# KiCad board FrontEnd_5G.kicad_pcb (continued)
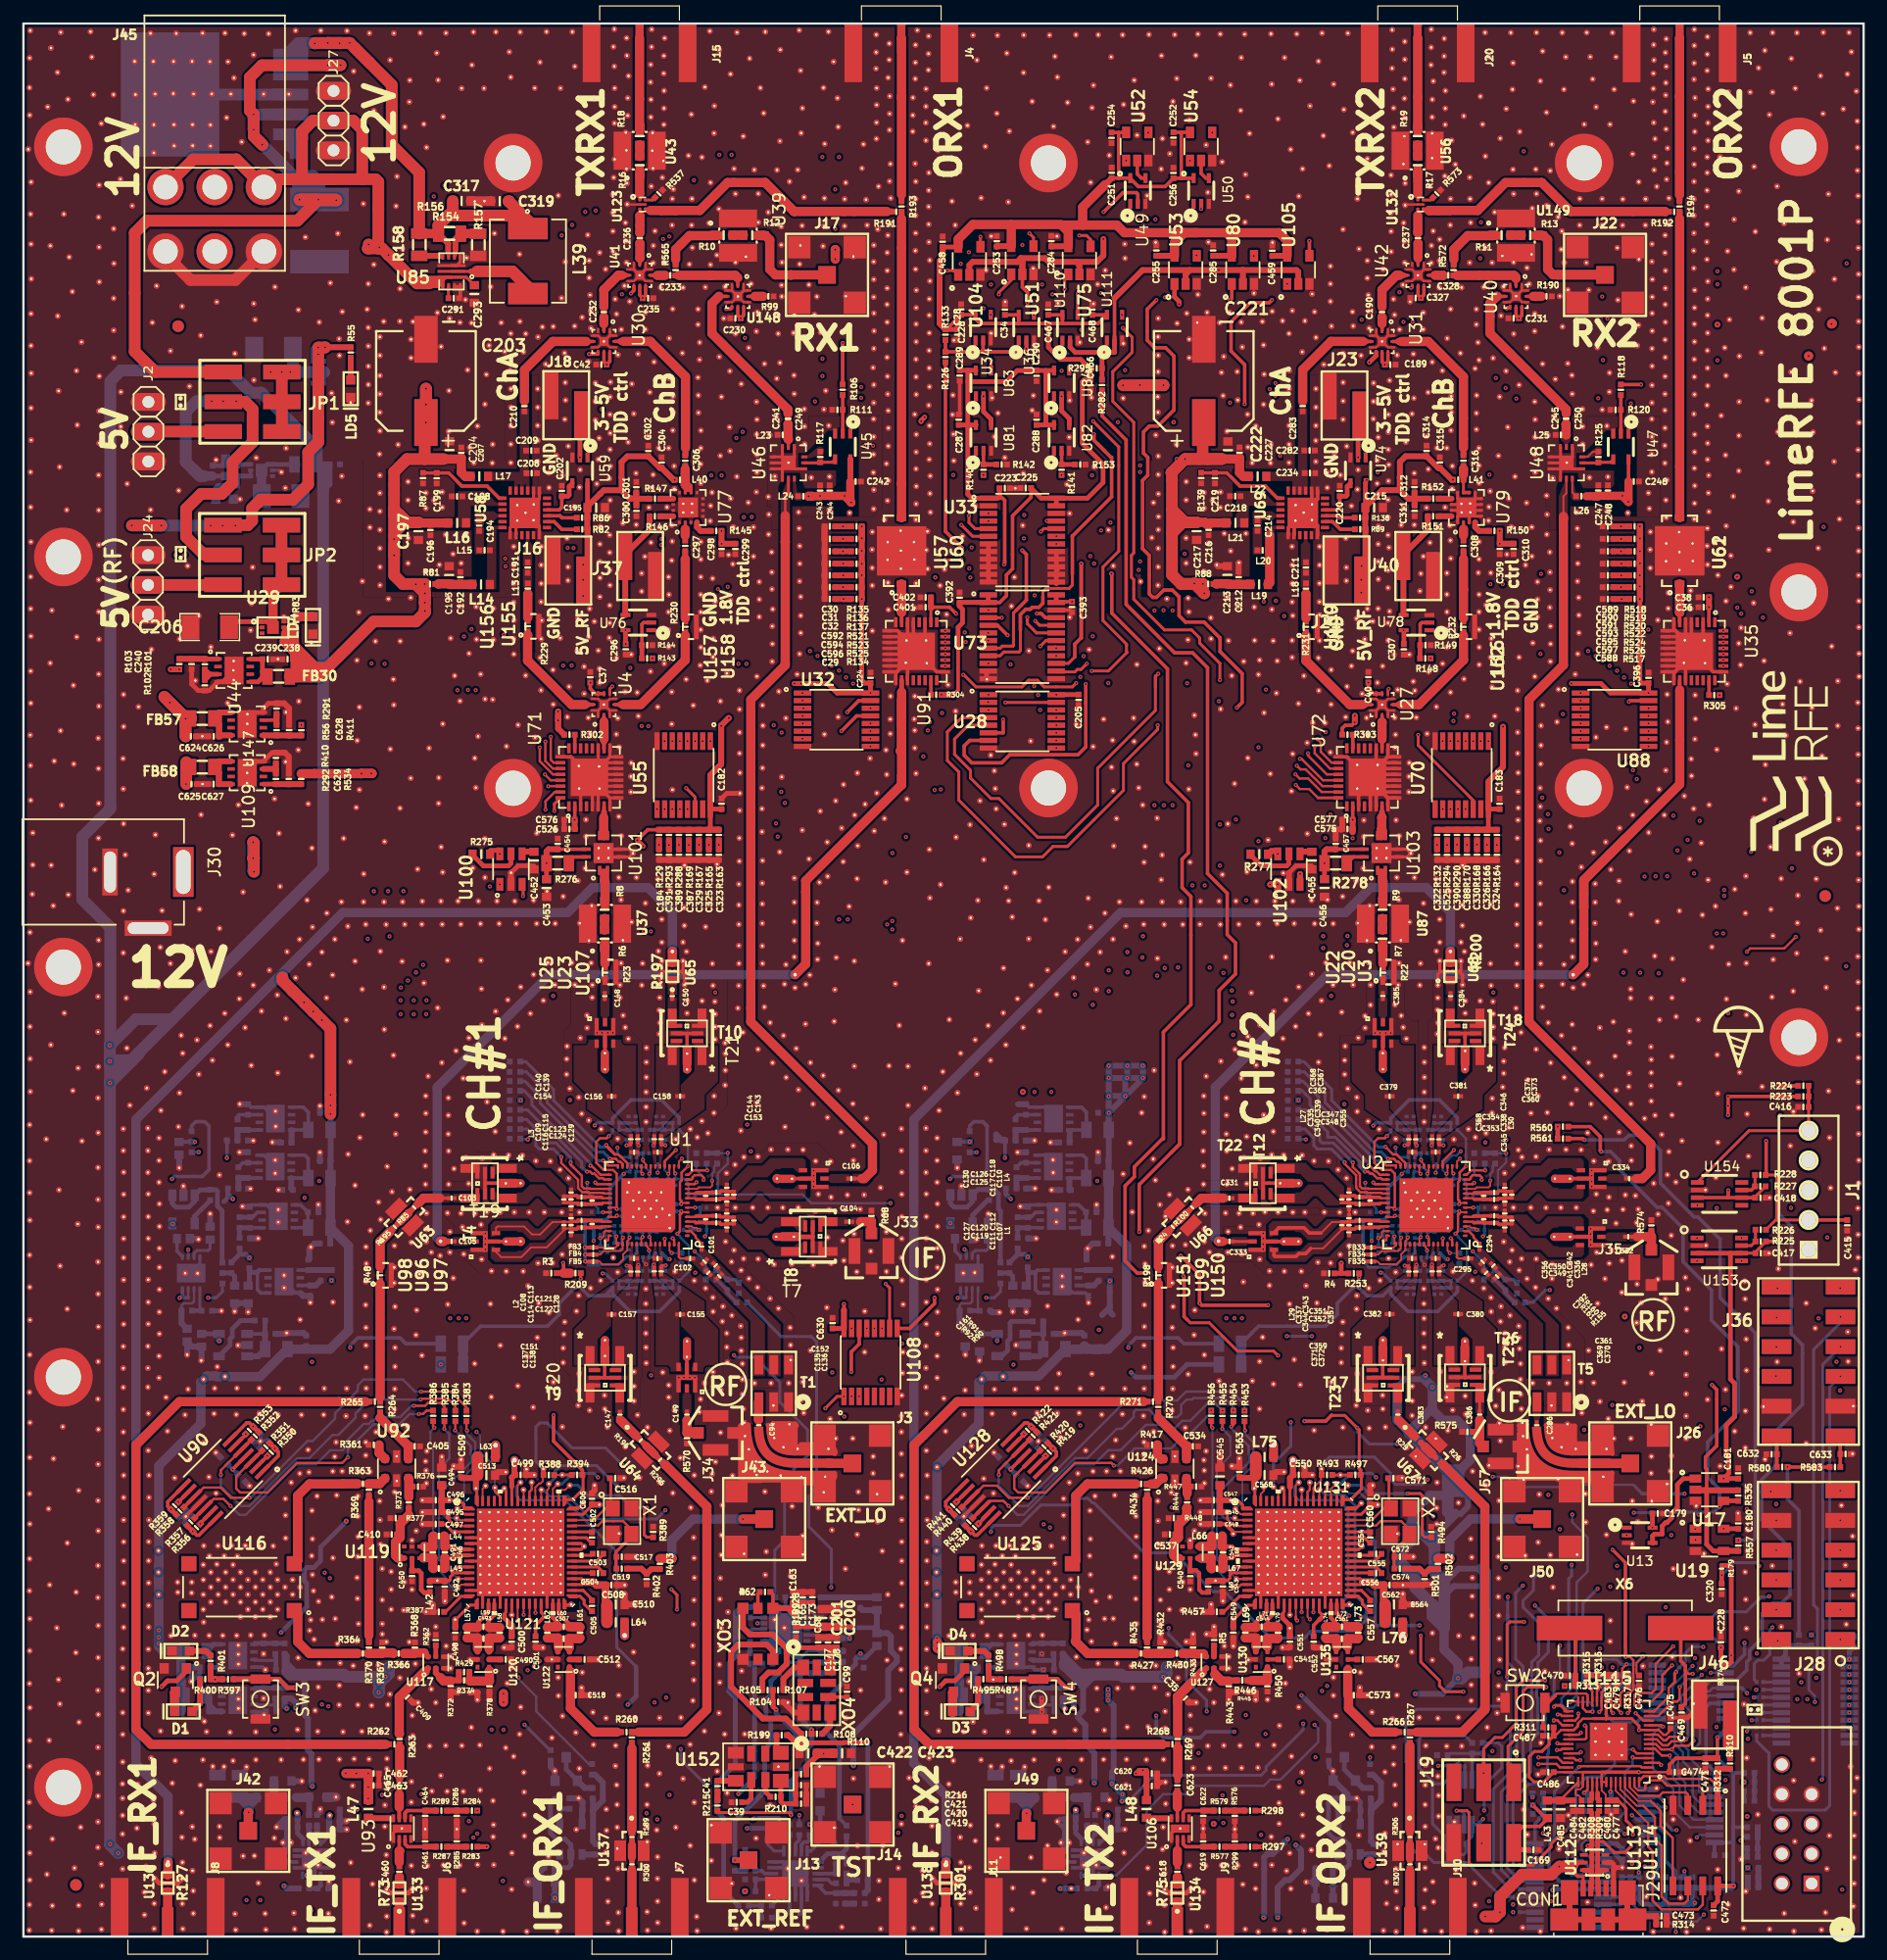
[diagram p0: board, top side]
## Nets (continued)
Net-(C567-Pad2): C567.2 U135.2
Net-(C571-Pad1): C571.1 U131.46 X2.1
Net-(C572-Pad1): C572.1 C574.2 U131.45 X2.3
Net-(C582-Pad2): C582.2 IC2.14
Net-(C606-Pad1): C606.1 R243.1 R404.1 U140.1
Net-(C607-Pad1): C607.1 R254.1 R409.1 U142.1
Net-(C608-Pad1): C608.1 R412.1 R562.1 R563.1
Net-(C610-Pad2): C610.2 R559.1 U144.6
Net-(C611-Pad1): C611.1 R556.1 U143.5 U143.8
Net-(C612-Pad1): C612.1 FB56.2 R20.2 U145.1 U145.3
Net-(C613-Pad1): C613.1 U144.1
Net-(C615-Pad1): C615.1 R566.1 R571.1 U143.1
Net-(C616-Pad2): C616.2 U144.3
Net-(C618-Pad1): C618.1 U106.2
Net-(C619-Pad1): C619.1 R577.2 U106.3
Net-(C622-Pad2): C622.2 R579.2 U106.6
Net-(C623-Pad2): C623.2 U106.7
Net-(C626-Pad1): C626.1 FB57.2 U147.5 U147.8
Net-(C627-Pad1): C627.1 FB58.2 U109.5 U109.8
Net-(C628-Pad1): C628.1 R56.1 R411.1 U147.1
Net-(C629-Pad1): C629.1 R292.1 R534.1 U109.1
Net-(C632-Pad1): C632.1 J36.6 R580.1
Net-(C633-Pad1): C633.1 J36.12 R583.2
Net-(C634-Pad1): C634.1 R594.2 R595.2 U38.23 U38.24
Net-(CON1-Pad4): CON1.4
Net-(D1-Pad1): D1.1 R400.1
Net-(D1-Pad2): D1.2 Q2.3
Net-(D2-Pad1): D2.1 R401.1
Net-(D3-Pad1): D3.1 R495.1
Net-(D3-Pad2): D3.2 Q4.3
Net-(D4-Pad1): D4.1 R498.1
Net-(IC1-Pad9): IC1.9 R398.1 R399.2
Net-(IC2-Pad9): IC2.9 R499.1 R500.2
Net-(J2-Pad2): J2.2 JP1.5
Net-(J4-Pad1): J4.1 R193.1
Net-(J5-Pad1): J5.1 R194.1
Net-(J6-Pad1): J6.1 R73.2 U133.1
Net-(J7-Pad1): J7.1 R300.1 U137.3
Net-(J8-Pad1): J8.1 R127.1 U136.3
Net-(J9-Pad1): J9.1 R75.2 U134.1
Net-(J10-Pad1): J10.1 R307.1 U139.3
Net-(J11-Pad1): J11.1 R301.1 U138.3
Net-(J15-Pad1): J15.1 R18.1 U43.3
Net-(J17-Pad1): J17.1 R12.1 U148.3
Net-(J20-Pad1): J20.1 R19.1 U56.3
Net-(J22-Pad1): J22.1 R13.1 U149.3
Net-(J24-Pad2): J24.2 JP2.5
Net-(J29-Pad10): J29.10
Net-(J37-Pad1): J37.1 R146.2 U76.4
Net-(J40-Pad1): J40.1 R151.2 U78.4
Net-(J42-Pad1): J42.1 R390.1 R392.1 R393.1
Net-(J43-Pad1): J43.1 R403.1
Net-(J45-Pad2): J45.2
Net-(J45-Pad5): J45.5
Net-(J49-Pad1): J49.1 R458.1 R472.1 R491.1
Net-(J50-Pad1): J50.1 R502.1
Net-(L14-Pad2): L14.2 L15.1 U58.24
Net-(L19-Pad2): L19.2 L20.1 U69.24
Net-(L24-Pad2): L24.2 U46.9
Net-(L26-Pad2): L26.2 U48.9
Net-(L39-Pad2): L39.2 U85.2
Net-(L44-Pad1): L44.1 L46.1 U121.8
Net-(L45-Pad1): L45.1 L46.2 U121.9
Net-(L47-Pad2): L47.2 U93.8
Net-(L48-Pad2): L48.2 U106.8
Net-(L57-Pad1): L57.1 L59.1 U121.19
Net-(L58-Pad1): L58.1 L59.2 U121.20
Net-(L60-Pad1): L60.1 L61.2 U121.31
Net-(L60-Pad2): L60.2 L62.2 U121.30
Net-(L66-Pad1): L66.1 L68.1 U131.8
Net-(L67-Pad1): L67.1 L68.2 U131.9
Net-(L69-Pad1): L69.1 L71.1 U131.19
Net-(L70-Pad1): L70.1 L71.2 U131.20
Net-(L72-Pad1): L72.1 L73.2 U131.31
Net-(L72-Pad2): L72.2 L74.2 U131.30
Net-(LD1-Pad1): LD1.1 R51.2
Net-(LD4-Pad1): LD4.1 R83.2
Net-(LD5-Pad1): LD5.1 R55.2
Net-(LD6-Pad1): LD6.1 R67.2
Net-(Q1-Pad1): Q1.1 Q1.3 R380.1
Net-(Q3-Pad1): Q3.1 Q3.3 R449.1
Net-(R2-Pad1): R2.1 U1.54
Net-(R5-Pad2): R5.2 U127.5
Net-(R6-Pad1): R6.1 R8.2
Net-(R7-Pad1): R7.1 R9.2
Net-(R10-Pad1): R10.1 R12.2
Net-(R10-Pad2): R10.2 R565.1 U148.1
Net-(R11-Pad1): R11.1 R13.2
Net-(R11-Pad2): R11.2 R572.1 U149.1
Net-(R14-Pad1): R14.1 U16.4
Net-(R15-Pad1): R15.1 U9.4
Net-(R15-Pad2): R15.2 R38.2 U9.1 U9.3
Net-(R16-Pad1): R16.1 R18.2
Net-(R16-Pad2): R16.2 U43.1 U123.1
Net-(R17-Pad1): R17.1 R19.2
Net-(R17-Pad2): R17.2 U56.1 U132.1
Net-(R20-Pad1): R20.1 U145.4
Net-(R21-Pad1): R21.1 U146.4
Net-(R21-Pad2): R21.2 R563.2 U146.1 U146.3
Net-(R22-Pad2): R7.2 R22.2 U3.2 U20.2 U22.2 U87.1
Net-(R23-Pad2): R6.2 R23.2 U23.2 U25.2 U37.1 U107.2
Net-(R25-Pad1): R25.1 R26.2
Net-(R27-Pad2): R27.2 R28.1 U95.3
Net-(R29-Pad2): R29.2 R30.1 U8.3
Net-(R31-Pad2): R31.2 R32.1 U7.3
Net-(R33-Pad2): R33.2 R34.1 U5.3
Net-(R35-Pad2): R35.2 R36.1 U6.3
Net-(R37-Pad2): R37.2 U10.7 U10.8
Net-(R39-Pad2): R39.2 U10.2
Net-(R40-Pad2): R40.2 U9.5
Net-(R41-Pad1): R41.1 R45.2 U10.5
Net-(R43-Pad2): R43.2 R44.1 U94.3
Net-(R62-Pad2): R62.2 XO3.6
Net-(R67-Pad1): R67.1 U18.15
Net-(R69-Pad2): R69.2 U18.11
Net-(R70-Pad2): R70.2 U18.19
Net-(R77-Pad1): R77.1 U18.13
Net-(R78-Pad1): R78.1 U18.14
Net-(R82-Pad1): R82.1 U58.8
Net-(R86-Pad1): R86.1 U58.9
Net-(R89-Pad1): R89.1 U69.8
Net-(R99-Pad2): R99.2 U39.11
Net-(R100-Pad2): R24.1 R100.2
Net-(R101-Pad2): R101.2 R102.2 U44.3
Net-(R105-Pad2): R105.2 XO3.1
Net-(R106-Pad2): R106.2 R111.2 U45.2
Net-(R107-Pad2): R107.2 XO4.1
Net-(R108-Pad1): R108.1 XO3.4
Net-(R110-Pad1): R110.1 XO4.6
Net-(R114-Pad1): R114.1 U21.17
Net-(R117-Pad1): R117.1 U46.12
Net-(R117-Pad2): R117.2 U45.4 U46.11
Net-(R118-Pad2): R118.2 R120.2 U47.2
Net-(R119-Pad1): R119.1 U21.3
Net-(R121-Pad2): R121.2 U21.5
Net-(R122-Pad2): R122.2 U21.10
Net-(R125-Pad1): R125.1 U48.12
Net-(R125-Pad2): R125.2 U47.4 U48.11
Net-(R131-Pad1): R131.1 U2.54
Net-(R138-Pad1): R138.1 U69.9
Net-(R140-Pad2): R140.2 R142.2 U81.2
Net-(R141-Pad2): R141.2 R153.2 U82.2
Net-(R143-Pad1): R143.1 R144.2 U76.2
Net-(R145-Pad2): R145.2 U77.4
Net-(R146-Pad1): R146.1 U77.16
Net-(R147-Pad1): R147.1 U77.13
Net-(R148-Pad1): R148.1 R149.2 U78.2
Net-(R150-Pad2): R150.2 U79.4
Net-(R151-Pad1): R151.1 U79.16
Net-(R152-Pad1): R152.1 U79.13
Net-(R154-Pad1): R154.1 R156.1 R157.2 U85.5
Net-(R158-Pad1): R158.1 U85.7
Net-(R162-Pad1): R162.1 U86.5
Net-(R175-Pad2): R175.2 U24.3
Net-(R176-Pad2): R176.2 U24.4
Net-(R177-Pad2): R177.2 U24.8
Net-(R178-Pad2): R178.2 U24.9
Net-(R180-Pad1): R180.1 U24.21
Net-(R181-Pad1): R181.1 U24.20
Net-(R182-Pad1): R182.1 U24.19
Net-(R187-Pad1): R187.1 U163.7
Net-(R188-Pad1): R188.1 U24.18
Net-(R189-Pad1): R189.1 R300.2
Net-(R189-Pad2): R189.2 R261.1 U137.1
Net-(R190-Pad2): R190.2 U40.11
Net-(R191-Pad1): R191.1 R193.2 U57.2 U60.2
Net-(R192-Pad1): R192.1 R194.2 U61.2 U62.2
Net-(R195-Pad1): R85.2 R195.1
Net-(R196-Pad1): R196.1 R296.2
Net-(R198-Pad1): R198.1 R270.1 R271.1 U99.1 U150.1 U151.1
Net-(R199-Pad1): R199.1 U152.1
Net-(R202-Pad1): R202.1 U24.17
Net-(R203-Pad1): R203.1 U24.16
Net-(R204-Pad1): R204.1 U24.15
Net-(R210-Pad1): R210.1 U152.8
Net-(R225-Pad2): R225.2 R226.2 U153.7
Net-(R227-Pad2): R227.2 R228.2 U154.7
Net-(R229-Pad2): R229.2 U4.11 U155.1 U156.1
Net-(R230-Pad1): R230.1 U4.5 U157.1 U158.1
Net-(R231-Pad2): R231.2 U27.11 U159.1 U160.1
Net-(R232-Pad1): R232.1 U27.5 U161.1 U162.1
Net-(R241-Pad2): R241.2 R242.1 U141.3
Net-(R243-Pad2): R243.2 R246.1 U140.3
Net-(R254-Pad2): R254.2 R259.1 U142.3
Net-(R262-Pad2): R262.2 R265.2
Net-(R264-Pad1): R48.1 R264.1 R265.1 U96.1 U97.1 U98.1
Net-(R267-Pad1): R267.1 R306.2 U139.1
Net-(R268-Pad2): R268.2 R271.2
Net-(R275-Pad1): R275.1 U100.5
Net-(R276-Pad1): R276.1 U101.8
Net-(R277-Pad1): R277.1 U102.5
Net-(R278-Pad1): R278.1 U103.8
Net-(R283-Pad1): R283.1 R285.1 R287.1
Net-(R284-Pad1): R284.1 R286.1 R289.1
Net-(R291-Pad1): R56.2 R291.1 U147.3
Net-(R292-Pad2): R292.2 R410.1 U109.3
Net-(R297-Pad1): R297.1 R299.1 R577.1
Net-(R298-Pad1): R298.1 R576.1 R579.1
Net-(R302-Pad2): R302.2 U71.23
Net-(R303-Pad2): R303.2 U72.23
Net-(R304-Pad2): R304.2 U91.23
Net-(R305-Pad2): R305.2 U35.23
Net-(R306-Pad1): R306.1 R307.2
Net-(R317-Pad2): R317.2 U115.19
Net-(R344-Pad1): R72.2 R344.1 U89.3
Net-(R345-Pad2): R345.2 R346.1 U26.3
Net-(R349-Pad1): R349.1 R350.1 U90.2
Net-(R353-Pad1): R353.1 R354.1 U90.6
Net-(R355-Pad1): R355.1 R356.1 U90.13
Net-(R359-Pad1): R359.1 R360.1 U90.9
Net-(R361-Pad2): R361.2 U92.6
Net-(R362-Pad2): R362.2 U117.5
Net-(R363-Pad1): R363.1 U116.2
Net-(R363-Pad2): R363.2 R369.1 U92.1
Net-(R364-Pad1): R364.1 U116.1
Net-(R364-Pad2): R364.2 R366.2 R367.2 R370.1
Net-(R366-Pad1): R366.1 R368.2 U117.6
Net-(R369-Pad2): R369.2 R370.2
Net-(R371-Pad1): R371.1 U118.1
Net-(R372-Pad2): R372.2 R374.1 R429.2 U117.2
Net-(R373-Pad2): R373.2 R376.2 U92.3
Net-(R374-Pad2): R374.2 R378.2 R429.1 U120.1
Net-(R375-Pad1): R375.1 R379.2 U118.4
Net-(R383-Pad1): R383.1 Ref**#292. U121.2
Net-(R384-Pad1): R384.1 Ref**#291. U121.3
Net-(R385-Pad1): R385.1 Ref**#290. U121.13
Net-(R386-Pad1): R386.1 Ref**#289. U121.14
Net-(R387-Pad2): R387.2 U121.16
Net-(R417-Pad2): R417.2 U124.6
Net-(R418-Pad1): R418.1 R419.1 U128.2
Net-(R422-Pad1): R422.1 R423.1 U128.6
Net-(R424-Pad1): R424.1 U126.1
Net-(R426-Pad1): R426.1 U125.2
Net-(R426-Pad2): R426.2 R434.1 U124.1
Net-(R427-Pad1): R427.1 U125.1
Net-(R427-Pad2): R427.2 R430.2 R432.2 R435.1
Net-(R430-Pad1): R430.1 R433.2 U127.6
Net-(R431-Pad1): R431.1 R436.2 U126.4
Net-(R434-Pad2): R434.2 R435.2
Net-(R437-Pad1): R437.1 R438.1 U128.13
Net-(R441-Pad1): R441.1 R442.1 U128.9
Net-(R443-Pad2): R443.2 R445.2 R446.1 U127.2
Net-(R444-Pad2): R444.2 R447.2 U124.3
Net-(R445-Pad1): R445.1 R446.2 R450.2 U130.1
Net-(R453-Pad1): R453.1 Ref**#354. U131.2
Net-(R454-Pad1): R454.1 Ref**#355. U131.3
Net-(R455-Pad1): R455.1 Ref**#464. U131.13
Net-(R456-Pad1): R456.1 Ref**#465. U131.14
Net-(R457-Pad2): R457.2 U131.16
Net-(R537-Pad2): R537.2 U123.6
Net-(R554-Pad2): R554.2 U21.8
Net-(R558-Pad1): R558.1 R559.2 U144.5
Net-(R562-Pad2): R562.2 U144.7 U144.8
Net-(R566-Pad2): R566.2 R567.1 U143.3
Net-(R568-Pad2): R568.2 U144.2
Net-(R569-Pad2): R569.2 U146.5
Net-(R573-Pad2): R573.2 U132.6
Net-(R586-Pad1): R586.1 U38.21
Net-(R587-Pad1): R587.1 U38.20
Net-(R588-Pad1): R588.1 U38.19
Net-(R589-Pad1): R589.1 U38.18
Net-(R590-Pad1): R590.1 U38.17
Net-(R591-Pad1): R591.1 U38.16
Net-(R592-Pad1): R592.1 U38.15
Net-(R593-Pad1): R593.1 U38.14
Net-(U1-Pad1): U1.1
Net-(U2-Pad1): U2.1
Net-(U4-Pad2): U4.2 U71.18
Net-(U5-Pad2): U5.2
Net-(U5-Pad6): U5.6
Net-(U5-Pad7): U5.7
Net-(U6-Pad2): U6.2
Net-(U6-Pad6): U6.6
Net-(U6-Pad7): U6.7
Net-(U7-Pad2): U7.2
Net-(U7-Pad6): U7.6
Net-(U7-Pad7): U7.7
Net-(U8-Pad2): U8.2
Net-(U8-Pad6): U8.6
Net-(U8-Pad7): U8.7
Net-(U11-Pad9): U11.9 U12.14
Net-(U12-Pad3): U12.3
Net-(U12-Pad4): U12.4
Net-(U12-Pad5): U12.5
Net-(U12-Pad6): U12.6
Net-(U12-Pad7): U12.7
Net-(U12-Pad15): U12.15
Net-(U13-Pad1): U13.1
Net-(U13-Pad4): U13.4 U17.1
Net-(U14-Pad3): U14.3
Net-(U15-Pad3): U15.3
Net-(U21-Pad13): U21.13
Net-(U21-Pad15): U21.15
Net-(U21-Pad16): U21.16
Net-(U21-Pad19): U21.19
Net-(U26-Pad2): U26.2
Net-(U26-Pad6): U26.6
Net-(U26-Pad7): U26.7
Net-(U27-Pad2): U27.2 U72.18
Net-(U28-Pad9): U28.9 U32.14
Net-(U29-Pad3): U29.3
Net-(U32-Pad9): U32.9 U88.14
Net-(U34-Pad1): U34.1
Net-(U35-Pad1): U35.1
Net-(U35-Pad4): U35.4
Net-(U35-Pad7): U35.7 U61.1 U62.1
Net-(U35-Pad20): U35.20
Net-(U35-Pad21): U35.21
Net-(U35-Pad22): U35.22
Net-(U35-Pad24): U35.24
Net-(U36-Pad1): U36.1
Net-(U44-Pad2): U44.2
Net-(U44-Pad6): U44.6
Net-(U44-Pad7): U44.7
Net-(U45-Pad1): U45.1
Net-(U47-Pad1): U47.1
Net-(U49-Pad1): U49.1
Net-(U49-Pad4): U49.4 U52.2
Net-(U50-Pad1): U50.1
Net-(U50-Pad4): U50.4 U54.2
Net-(U55-Pad9): U55.9 U70.14
Net-(U55-Pad14): U55.14 U88.9
Net-(U55-Pad15): U55.15
Net-(U57-Pad1): U57.1 U60.1 U91.7
Net-(U58-Pad3): U58.3
Net-(U58-Pad5): U58.5
Net-(U58-Pad7): U58.7
Net-(U58-Pad11): U58.11
Net-(U58-Pad12): U58.12
Net-(U58-Pad18): U58.18
Net-(U58-Pad21): U58.21
Net-(U58-Pad23): U58.23
Net-(U59-Pad1): U59.1
Net-(U69-Pad3): U69.3
Net-(U69-Pad5): U69.5
Net-(U69-Pad7): U69.7
Net-(U69-Pad11): U69.11
Net-(U69-Pad12): U69.12
Net-(U69-Pad18): U69.18
Net-(U69-Pad21): U69.21
Net-(U69-Pad23): U69.23
Net-(U70-Pad15): U70.15
Net-(U71-Pad1): U71.1
Net-(U71-Pad4): U71.4
Net-(U71-Pad20): U71.20
Net-(U71-Pad21): U71.21
Net-(U71-Pad22): U71.22
Net-(U71-Pad24): U71.24
Net-(U72-Pad1): U72.1
Net-(U72-Pad4): U72.4
Net-(U72-Pad20): U72.20
Net-(U72-Pad21): U72.21
Net-(U72-Pad22): U72.22
Net-(U72-Pad24): U72.24
Net-(U74-Pad1): U74.1
Net-(U76-Pad1): U76.1
Net-(U78-Pad1): U78.1
Net-(U81-Pad1): U81.1
Net-(U82-Pad1): U82.1
Net-(U83-Pad1): U83.1
Net-(U84-Pad1): U84.1
Net-(U89-Pad2): U89.2
Net-(U89-Pad6): U89.6
Net-(U89-Pad7): U89.7
Net-(U91-Pad1): U91.1
Net-(U91-Pad4): U91.4
Net-(U91-Pad20): U91.20
Net-(U91-Pad21): U91.21
Net-(U91-Pad22): U91.22
Net-(U91-Pad24): U91.24
Net-(U93-Pad4): U93.4
Net-(U93-Pad5): U93.5
Net-(U94-Pad2): U94.2
Net-(U94-Pad6): U94.6
Net-(U94-Pad7): U94.7
Net-(U95-Pad2): U95.2
Net-(U95-Pad6): U95.6
Net-(U95-Pad7): U95.7
Net-(U106-Pad4): U106.4
Net-(U106-Pad5): U106.5
Net-(U108-Pad4): U108.4
Net-(U108-Pad5): U108.5
Net-(U108-Pad6): U108.6
Net-(U108-Pad7): U108.7
Net-(U109-Pad2): U109.2
Net-(U109-Pad6): U109.6
Net-(U109-Pad7): U109.7
Net-(U110-Pad1): U110.1
Net-(U111-Pad1): U111.1
Net-(U112-Pad3): U112.3
Net-(U112-Pad4): U112.4
Net-(U116-Pad3): U116.3
Net-(U116-Pad4): U116.4
Net-(U118-Pad3): U118.3
Net-(U119-Pad6): U119.6
Net-(U120-Pad6): U120.6
Net-(U121-Pad61): U121.61
Net-(U121-Pad62): U121.62
Net-(U122-Pad6): U122.6
Net-(U125-Pad3): U125.3
Net-(U125-Pad4): U125.4
Net-(U126-Pad3): U126.3
Net-(U129-Pad6): U129.6
Net-(U130-Pad6): U130.6
Net-(U131-Pad61): U131.61
Net-(U131-Pad62): U131.62
Net-(U135-Pad6): U135.6
Net-(U140-Pad2): U140.2
Net-(U140-Pad6): U140.6
Net-(U140-Pad7): U140.7
Net-(U141-Pad2): U141.2
Net-(U141-Pad6): U141.6
Net-(U141-Pad7): U141.7
Net-(U142-Pad2): U142.2
Net-(U142-Pad6): U142.6
Net-(U142-Pad7): U142.7
Net-(U143-Pad2): U143.2
Net-(U143-Pad6): U143.6
Net-(U143-Pad7): U143.7
Net-(U147-Pad2): U147.2
Net-(U147-Pad6): U147.6
Net-(U147-Pad7): U147.7
Net-(U152-Pad2): U152.2
Net-(U152-Pad3): U152.3
Net-(U154-Pad5): U154.5
Net-(U154-Pad8): U154.8
Net-(XO3-Pad3): XO3.3
Net-(XO4-Pad2): XO4.2
Net-(XO4-Pad3): XO4.3
Net-(XO4-Pad5): XO4.5
Net-(XO4-Pad8): XO4.8
Net-(XO4-Pad10): XO4.10

Pads without a net: P4 1 2; P4#2 1 2; P4#3 1 2

## Via types
v1: diameter 0.35, hole 0.15, F.RO to B.FR4, 582 vias
v2: diameter 0.35, hole 0.15, F.RO to B2.RO, 767 vias

## Routing (per net, layer and track width the routed paths; a pad name or vN(x,y) marks a point on that pad's centre or on a via; arc(x,y) is an arc through that point)
+1.8V: length 174.3
  F.RO w0.3: 117.87,111.47 v1(117.86,111.49) ; 83.79,117.34 83.79,117.35 ; 83.79,117.35 83.79,122.58 83.61,122.75 U33.1 ; 83.79,117.35 83.79,117.15 v1(83.74,117.1) ; C223.1 83.35,122.9
  F.RO w0.4: 51.44,110.34 51.43,110.33 v1(51.43,110.31) 51.41,110.33 v1(51.41,111.49) ; v1(29.71,99.26) 29.7,99.26 ; 24.88,99.26 24.86,99.24 ; U83.5 81.31,133.67 80.64,133.67 ; 80.64,133.67 C289.2 ; 80.64,133.67 80.64,132.7 ; 80.64,129.09 80.73,129 ; 80.64,129.09 80.64,132.7 ; 80.64,129.09 80.64,123.09 80.98,122.75 U33.1 83.21,122.75 83.33,122.88 ; 80.73,129 U81.5 ; 80.73,129 79.83,129 ; 87.3,133.65 U84.5 ; 87.3,133.65 87.3,130.14 ; 87.3,133.65 C290.2 84.87,133.65 83.92,132.7 80.64,132.7 ; U82.5 C288.2 ; 87.3,130.14 87.3,129.01 87.3,130.14 ; 83.33,122.88 83.35,122.9 ; 83.33,122.88 83.35,122.9 ; 83.35,122.9 C223.1 ; C307.2 117.87,111.47
  F.RO w0.79: R534.2 24.86,99.24 24.87,99.25 v1(28.87,99.25) ; v1(28.87,99.25) 28.87,99.26 ; v1(28.87,99.25) 28.87,99.26 ; v1(28.87,99.25) 28.87,99.26 ; v1(28.87,99.25) 28.88,99.26 29.77,99.26 ; 28.87,99.26 29.77,99.26 ; 29.77,99.26 v1(29.71,99.26)
  F.FR4 w0.3: v1(80.76,116.77) 83.4,116.77 v1(83.74,117.1)
  F.FR4 w0.4: 51.47,110.37 51.44,110.34 ; 59.11,109.91 60.21,111.01 64.44,111.01 65.13,110.32 66.52,110.32 67,110.8 73.71,110.8 75.11,112.2 80.3,112.2 80.38,112.12 ; 80.38,112.12 80.54,111.97 82.67,111.97 82.99,111.65 82.99,110.99 83.69,110.29 84.61,110.29 85.62,111.3 86.65,111.3 87.34,111.99 89.86,111.99 90.16,111.69 98.71,111.69 98.9,111.88 114.53,111.88 114.92,111.49 v1(117.86,111.49) ; 80.38,112.12 v1(80.38,111.3)
  F.FR4 w0.5: 48.41,110.07 48.96,110.62 49.28,110.62 49.98,109.92 50.3,109.92 50.69,110.31 v1(51.43,110.31) ; 48.41,110.07 48.43,110.09 47.8,110.09 47.36,110.53 47.66,110.53 48.12,110.07 48.41,110.07 ; 59.11,109.91 58.87,109.91 58.09,110.69 52.84,110.69 52.53,110.37 51.47,110.37 ; 59.15,109.96 60.21,111.01 64.44,111.01
  F.FR4 w0.79: 47.36,110.53 46.99,110.53 46.44,109.98 43.67,109.98
  F.FR4 w1: 43.67,109.98 42.02,108.33 40.72,108.33 40.26,108.79 38.55,108.79 38.38,108.62 v1(30.85,108.62) 30.82,108.65 v1(29.73,108.65)
  B.FR4 w0.3: v1(83.74,117.1) 83.74,117.11
  B.FR4 w0.4: v1(117.85,111.48) 117.85,111.48 ; 29.73,99.28 v1(29.71,99.26) ; 51.4,111.49 v1(51.41,111.49) 51.41,110.33 v1(51.43,110.31) ; 80.78,116.77 80.76,116.77 v1(80.76,116.77) 80.3,116.77 79.99,116.46 79.99,115.67 79.56,115.24 79.56,114.62 80.68,113.5 80.68,111.6 80.36,111.28 v1(80.38,111.3)
  B.FR4 w0.79: 29.73,99.27 29.73,99.28 ; 29.73,99.27 v1(29.73,108.65) 30.82,108.65 v1(30.85,108.62) ; 29.73,99.27 28.89,99.27 v1(28.87,99.25)
+1.8V_#1: length 99.9
  F.RO w0.3: v2(17.88,62.95) 17.88,62.96 ; 35.63,48.83 v2(35.64,48.83) ; v2(24.65,49.04) 24.63,49.06
  F.FR4 w0.2: v2(48.14,64.33) 48.14,61.88 49.13,60.89 54.94,60.89 54.99,60.94 56.18,60.94 57.36,59.76 v2(58.19,59.76)
  F.FR4 w0.3: 47.58,66.7 47.58,64.89 v2(48.14,64.33) ; v2(24.65,49.04) 24.89,49.28 32.35,49.28 32.8,48.83 v2(35.64,48.83) ; 23.91,62.95 v2(24.01,63.05) 29.77,63.05 33.05,66.33 36.53,66.33 37.54,67.34 40.09,67.34 40.39,67.64
  F.FR4 w0.5: 47.58,66.7 45.62,68.66 41.41,68.66 40.39,67.64 37.58,67.64 37.45,67.77 35.43,67.77 35.35,67.85 33.17,67.85 32.98,67.66 32.98,66.26 ; 32.98,66.26 31.31,64.59 31.02,64.59 29.65,63.22 24.19,63.22 24.02,63.05 ; 32.98,66.26 33.05,66.33 ; v2(17.88,62.95) 23.91,62.95
  B.FR4 w0.3: v2(24.01,63.05) 23.41,62.45 23.41,54.01 24.65,52.77 v2(24.65,49.04)
  B2.RO w0.2: v2(48.14,64.33) 48.14,63.47 48.42,63.2 FB12.2 ; v2(58.19,59.76) 58.33,59.91 58.33,60.78 58.08,61.03 FB11.2
  B2.RO w0.4: 17.12,62.72 17.46,63.06 R53.2 17.46,63.37 v2(17.88,62.95)
+1.8V_#2: length 120.5
  F.FR4 w0.2: 122.49,60.94 122.62,60.94 123.8,59.76 v2(124.63,59.76) ; 122.49,60.94 122.46,60.94 ; 122.49,60.94 121.43,60.94 121.38,60.89 115.57,60.89 114.58,61.88 v2(114.58,64.33)
  F.FR4 w0.3: 114.02,66.7 114.02,64.89 v2(114.58,64.33) ; 112.06,68.66 107.85,68.66 107,67.81 ; 107,67.81 107.09,67.9 ; 107,67.81 106.53,67.34 103.98,67.34 102.97,66.33 99.49,66.33 96.21,63.05 90.45,63.05 90.35,62.95 ; 94.1,48.61 84.74,48.61 v2(84.54,48.81)
  F.FR4 w0.4: 94.1,48.61 94.57,48.14 v2(94.59,48.14)
  F.FR4 w0.5: 114.02,66.7 112.06,68.66 107.85,68.66 ; 90.17,62.95 90.35,62.95 ; 90.17,62.95 v2(84.31,62.95) ; 90.17,62.95 90.47,63.25 93.87,63.25 ; 93.87,63.25 95.03,64.41 95.03,66.2 96.21,67.38 98.37,67.38 98.71,67.04 ; 93.87,63.25 96.41,63.25 99.45,66.3 ; 107.71,68.52 106.53,67.34 103.98,67.34 103.98,67.34 ; 107.71,68.52 107.85,68.66 ; 107.71,68.52 107.85,68.66 ; 99.45,66.3 99.49,66.33 ; 99.45,66.3 98.71,67.04 ; 103.98,67.34 103.55,67.76 102.07,67.76 101.98,67.85 99.94,67.85 99.06,66.97 98.78,66.97 98.71,67.04 ; 103.98,67.34 103.94,67.3
  B.FR4 w0.3: v2(84.31,62.95) 84.31,60.49 83.94,60.11 83.94,49.41 v2(84.54,48.81)
  B2.RO w0.2: v2(124.63,59.76) 124.77,59.91 FB37.1 124.77,60.78 124.52,61.03 FB41.2 ; v2(114.58,64.33) 114.58,63.46 114.85,63.2 FB42.2
  B2.RO w0.4: v2(84.31,62.95) 83.9,63.36 R404.2 ; v2(94.59,48.14) 94.99,47.74 98.28,47.74 99.37,48.83 R533.2
+1.8V_PLL_#1: length 60.3
  F.FR4 w0.2: v2(48.69,59.36) 48.69,58.82 50.1,57.41 50.93,57.41 51.33,57.81 ; v2(55.18,57.81) 51.64,57.81
  F.FR4 w0.25: 51.64,57.81 51.33,57.81
  F.FR4 w0.3: 49.36,66.91 50.38,66.91 50.72,67.25 v2(50.72,67.33)
  F.FR4 w0.5: 49.36,66.91 46.8,69.47 28.24,69.47 26.83,68.06 23.64,68.06 22.58,67 19.57,67 18.75,67.82 v2(14.65,67.82)
  B.FR4 w0.2: v2(48.69,59.36) 48.69,62.22 49.41,62.94 49.41,65.02 50.72,66.33 v2(50.72,67.33)
  B2.RO w0.2: v2(50.72,67.33) 50.74,67.31 50.74,66.83 51.05,66.52 FB13.2
  B2.RO w0.3: C86.1 13.3,67.83 R40.1 14.64,67.83 v2(14.65,67.82) ; v2(55.18,57.81) 55.03,57.81 54.55,58.29 FB8.2 ; v2(48.69,59.36) 48.69,59.88 FB1.1 FB2.1
+1.8V_PLL_#2: length 59.7
  F.FR4 w0.25: 117.16,67.24 116.83,66.91 115.8,66.91 ; v2(121.62,57.81) 121.64,57.81
  F.FR4 w0.3: 81.08,67.83 81.09,67.82 ; v2(115.13,59.36) 115.87,58.62 118.58,58.62 119.26,57.94 121.14,57.94 121.27,57.81 121.64,57.81 ; v2(117.16,67.33) 117.16,67.24
  F.FR4 w0.5: 115.8,66.91 113.24,69.47 91.49,69.47 89.02,67 86.01,67 85.19,67.82 81.09,67.82 ; v2(80.8,67.83) 81.08,67.83
  B.FR4 w0.2: v2(115.13,59.36) 115.13,60.3 115.36,60.53 115.36,62.45 115.85,62.94 115.85,65.02 117.16,66.33 v2(117.16,67.33)
  B2.RO w0.2: v2(117.16,67.33) 117.18,67.31 117.18,66.83 117.49,66.52 FB43.2
  B2.RO w0.3: v2(115.13,59.36) 115.13,59.88 FB31.1 FB32.1 ; v2(121.62,57.81) 121.47,57.81 120.99,58.29 FB38.2 ; 80.81,67.82 v2(80.8,67.83) 79.74,67.83 C617.1 79.7,67.82
+1.8V_SC1905_#1: length 158.2
  F.RO w0.15: 36.36,35.58 36.36,36.22 ; 36.61,30.86 36.61,31.2 36.95,31.54 U121.11
  F.RO w0.2: 36.18,35.72 36.76,35.14 37.19,35.14 37.29,35.04 U121.4 ; 36.36,36.22 36.36,35.58
  F.RO w0.25: C506.2 48.55,36.8 47.79,36.04 U121.47 ; 36.37,30.38 36.03,30.38 C492.1 ; 36.37,30.38 35.34,30.38 35.32,30.38 ; 36.37,30.38 36.45,30.46 36.45,30.7 36.61,30.86 ; 36.36,37.23 37.25,37.23 37.62,36.86 37.62,36.54 U121.1 ; 41.08,27.45 41.08,27.57 41.2,27.69 41.2,28.4 U121.22 ; 36.18,35.72 36.18,36.02 36.37,36.21 36.36,36.22 ; U121.11 36.95,31.54 36.61,31.2 36.61,31.04 U121.12
  F.RO w0.4: 41.71,26.58 41.67,26.58 41.08,27.17 41.08,27.45
  F.RO w0.5: C500.1 41.7,25.63
  F.RO w0.51: C506.2 48.6,36.86 49.18,36.86 ; C492.1 35.91,30.38 34.76,30.38 L42.1 ; C496.2 35.73,37.17 35.73,36.29 C495.1 36.36,36.22 ; C496.2 36.35,37.24 36.36,37.23 ; C496.2 35.73,37.31 35.73,38.51 C494.2 ; 41.7,25.63 41.7,26.31 41.71,26.32 41.71,26.58
  F.RO w0.76: 51.34,25.69 51.33,25.7 L64.1
  F.RO w0.79: L63.1 40.31,40.94 40.31,41.93
  F.FR4 w1: 51.85,25.54 51.85,25.56 51.72,25.69 51.34,25.69
  B.FR4 w0.15: 35.34,30.38 35.34,35.32 36.24,36.22 36.36,36.22
  B.FR4 w0.4: 36.24,36.22 36.36,36.22 36.36,37.24
  B.FR4 w0.5: 42.32,25.69 41.47,26.54 39.28,26.54 ; 34.32,28.87 34.82,29.37 36.45,29.37 37.1,28.72 ; 24.67,8.71 23.37,7.41 23.37,6.61 22.25,5.49 v2(22.25,4.33) ; 24.67,8.71 v2(24.67,12.82) 24.67,8.71
  B.FR4 w0.79: 39.28,26.54 37.1,28.72 ; 36.03,36.01 36.03,36.91 36.37,37.25 ; 36.03,36.01 36.24,36.22 ; 36.03,36.01 35.81,35.8 36.06,35.55 36.06,36.04 35.34,35.32 35.34,29.89 33.37,27.92 33.37,26.99 33.36,26.99 32.03,25.66 32.03,24.94 ; 49.18,36.86 49.18,36.89 48.6,37.47 48.45,37.47 48.14,37.78 48.14,37.79 47.76,38.17 47.76,41.87 47.82,41.93 42.51,41.93 ; 32.03,24.94 32.03,24.9 ; 32.03,24.94 32.03,24.2 32,24.17 ; 42.69,25.69 42.23,25.69 41.64,26.28 39.57,26.28 39.31,26.54
  B.FR4 w1: 49.2,26.7 49.2,36.84 49.18,36.86 ; 49.2,26.7 48.85,26.35 ; 49.2,26.7 48.19,25.69 48.18,25.69 ; 48.18,25.69 42.32,25.69 ; 48.18,25.69 51.34,25.69 ; 36.37,37.25 36.37,38.1 38.29,40.02 38.29,41.36 38.86,41.93 44.38,41.93 ; 31.28,24.2 31.22,24.14 ; 31.28,24.2 31.22,24.14 ; 31.28,24.2 32.03,24.2 ; 31.22,24.14 31.22,23 31.22,24.14 ; v2(30.33,20.84) 30.33,21.58 v2(30.36,21.62) v2(30.93,22.18) 30.93,22.12 31.22,22.41 v2(31.22,22.98)
  B2.RO w0.5: 22.48,23.33 22.48,23.95 R47.2 22.31,22.66 22.47,22.5 22.52,22.5 ; 22.48,23.33 23.58,22.23 ; 22.48,23.33 22.52,23.29 22.52,22.5 ; v2(22.25,4.33) 22.47,4.11 R398.2 ; 23.58,22.23 24.02,21.79 24.02,18.9 24.3,18.62 24.3,15.9 24.59,15.61 24.59,12.9 v2(24.67,12.82) ; 23.58,22.23 23.31,22.5 22.52,22.5
  B2.RO w1: 30.36,22.18 27.54,22.18 27.36,22.36 22.79,22.36 22.52,22.63 ; 30.36,22.18 30.36,20.87 v2(30.33,20.84) 30.36,20.87 v2(30.36,21.62) v2(30.93,22.18) ; 30.36,22.18 v2(30.93,22.18) ; v2(30.93,22.18) 31.22,22.47 ; v2(30.93,22.18) 31.22,22.47 ; 31.22,22.47 v2(31.22,22.98) 31.22,22.47
+1.8V_SC1905_#2: length 146.1
  F.RO w0.2: U131.4 103.36,35.04 102.81,35.59 102.81,36.22
  F.RO w0.25: 107.52,27.45 107.52,27.58 107.65,27.71 U131.22 ; C560.2 115,36.8 114.24,36.04 U131.47 ; 102.81,37.24 103.69,37.24 104.09,36.84 104.09,36.54 U131.1 ; 103.06,31.05 103.06,31.2 103.4,31.54 U131.11 ; 103.06,31.05 103.54,31.05 103.55,31.04 U131.12 ; 103.06,31.05 103.06,30.89 103.02,30.85 103.02,30.59 102.81,30.38 102.47,30.38 C543.1
  F.RO w0.3: v2(97.34,22.17) 97.34,22.17
  F.RO w0.4: 108.14,26.32 108.14,26.56 107.52,27.18 107.52,27.45
  F.RO w0.51: C560.2 115.06,36.85 115.64,36.85 ; C547.2 102.17,37.3 C545.2 ; C547.2 102.81,37.24 ; C547.2 102.18,37.17 102.18,36.28 C546.1 ; 102.11,36.23 C546.1 ; C546.1 102.81,36.22 ; C543.1 102.38,30.37 101.21,30.37 L65.1 ; C551.1 108.14,26.56
  F.RO w0.76: 106.75,41.94 106.75,40.94 L75.1
  F.RO w0.79: 117.76,25.73 117.8,25.69 117.77,25.72 117.77,26.81 L76.1
  B.FR4 w0.3: 97.66,22.49 97.57,22.4 ; v2(97.62,22.99) 97.62,22.47 97.63,22.46 ; 97.45,22.17 v2(97.34,22.17)
  B.FR4 w0.4: 98.47,24.94 97.88,24.35 97.88,24.13 ; 102.47,35.88 102.81,36.22 102.81,37.24
  B.FR4 w0.5: 101.26,29.37 102.89,29.37 103.54,28.72 ; 114.15,38.21 115.51,36.85 115.64,36.85 ; 98.47,25.56 98.47,24.94 ; 102.47,37.02 102.85,37.02 103.06,37.23 ; v2(91.43,13.11) 91.42,13.11 90.87,12.56 90.87,8.49 88.09,5.71 88.09,4.16 88.16,4.09 v2(88.53,4.09)
  B.FR4 w0.79: 98.47,24.94 98.47,24.19 98.47,25.65 ; 98.47,25.65 99.94,27.12 99.8,27.26 99.8,27.9 100.03,28.13 100.03,28.14 101.79,29.9 101.79,35.33 102.47,36.01 102.47,35.7 ; 98.47,25.65 98.47,25.56 ; 108.14,26.32 107.92,26.54 105.72,26.54 103.54,28.72 ; 102.47,35.7 102.47,35.88 ; 102.47,35.7 102.47,37.02 102.81,37.36 102.81,37.24 102.81,38.1 ; 115.64,36.85 115.02,37.47 114.89,37.47 114.78,37.58 ; 97.72,24.19 97.66,24.13 97.88,24.13 ; 106.75,41.94 109.91,41.94 109.93,41.92 112.68,41.92 114.2,40.4 114.2,38.16 114.78,37.58 ; 114.78,37.58 114.15,38.21
  B.FR4 w1: 102.81,38.1 104.13,39.42 104.13,39.43 105.72,41.02 105.72,41.94 106.75,41.94 ; 108.14,26.32 108.77,25.69 114.63,25.69 ; 114.63,25.69 115.64,26.7 115.64,36.85 ; 114.63,25.69 117.8,25.69 ; 97.45,22.17 v2(97.34,22.17) 97.66,22.49 97.66,24.13 ; 97.72,24.19 98.47,24.19
  B2.RO w0.4: R499.2 89.93,4.1 89.47,4.1 ; 90.49,19.33 90.49,19.3
  B2.RO w0.5: R348.2 88.92,23.95 88.92,23.33 89.42,23.33 90.49,22.26 90.49,19.33 ; R348.2 88.75,23.31 88.92,23.14 ; R348.2 90.5,22.37 91.24,22.37 ; v2(88.53,4.09) 88.54,4.1 89.47,4.1 ; v2(91.43,13.11) 91.44,13.12 91.44,15.68 90.68,16.44 90.68,18.06 90.07,18.68 90.07,18.89 90.49,19.3
  B2.RO w0.79: 88.92,23.33 89.73,22.52 89.73,22.5 90.55,21.68
  B2.RO w1: 93.21,22.37 91.24,22.37 90.49,21.62 88.92,23.19 88.92,23.14 88.92,23.33 89.88,22.37 93.21,22.37 ; 93.21,22.37 93.72,22.37 93.92,22.17 v2(97.34,22.17) 97.62,22.45 v2(97.62,22.99)
